# Altium PCB CU-ON-OFF-V2-08-11-18.PcbDoc (part 6 of 14)
Units mm, origin at the board's own origin, x right, y up, seen from the top; angles counter-clockwise.
Board outline 213 x 122.62 mm, 2 copper layers (Top Layer, Bottom Layer); 304 components, 53 nets, 991 pads, 702 vias.
Unrouted connection lines stored in the file: 1.
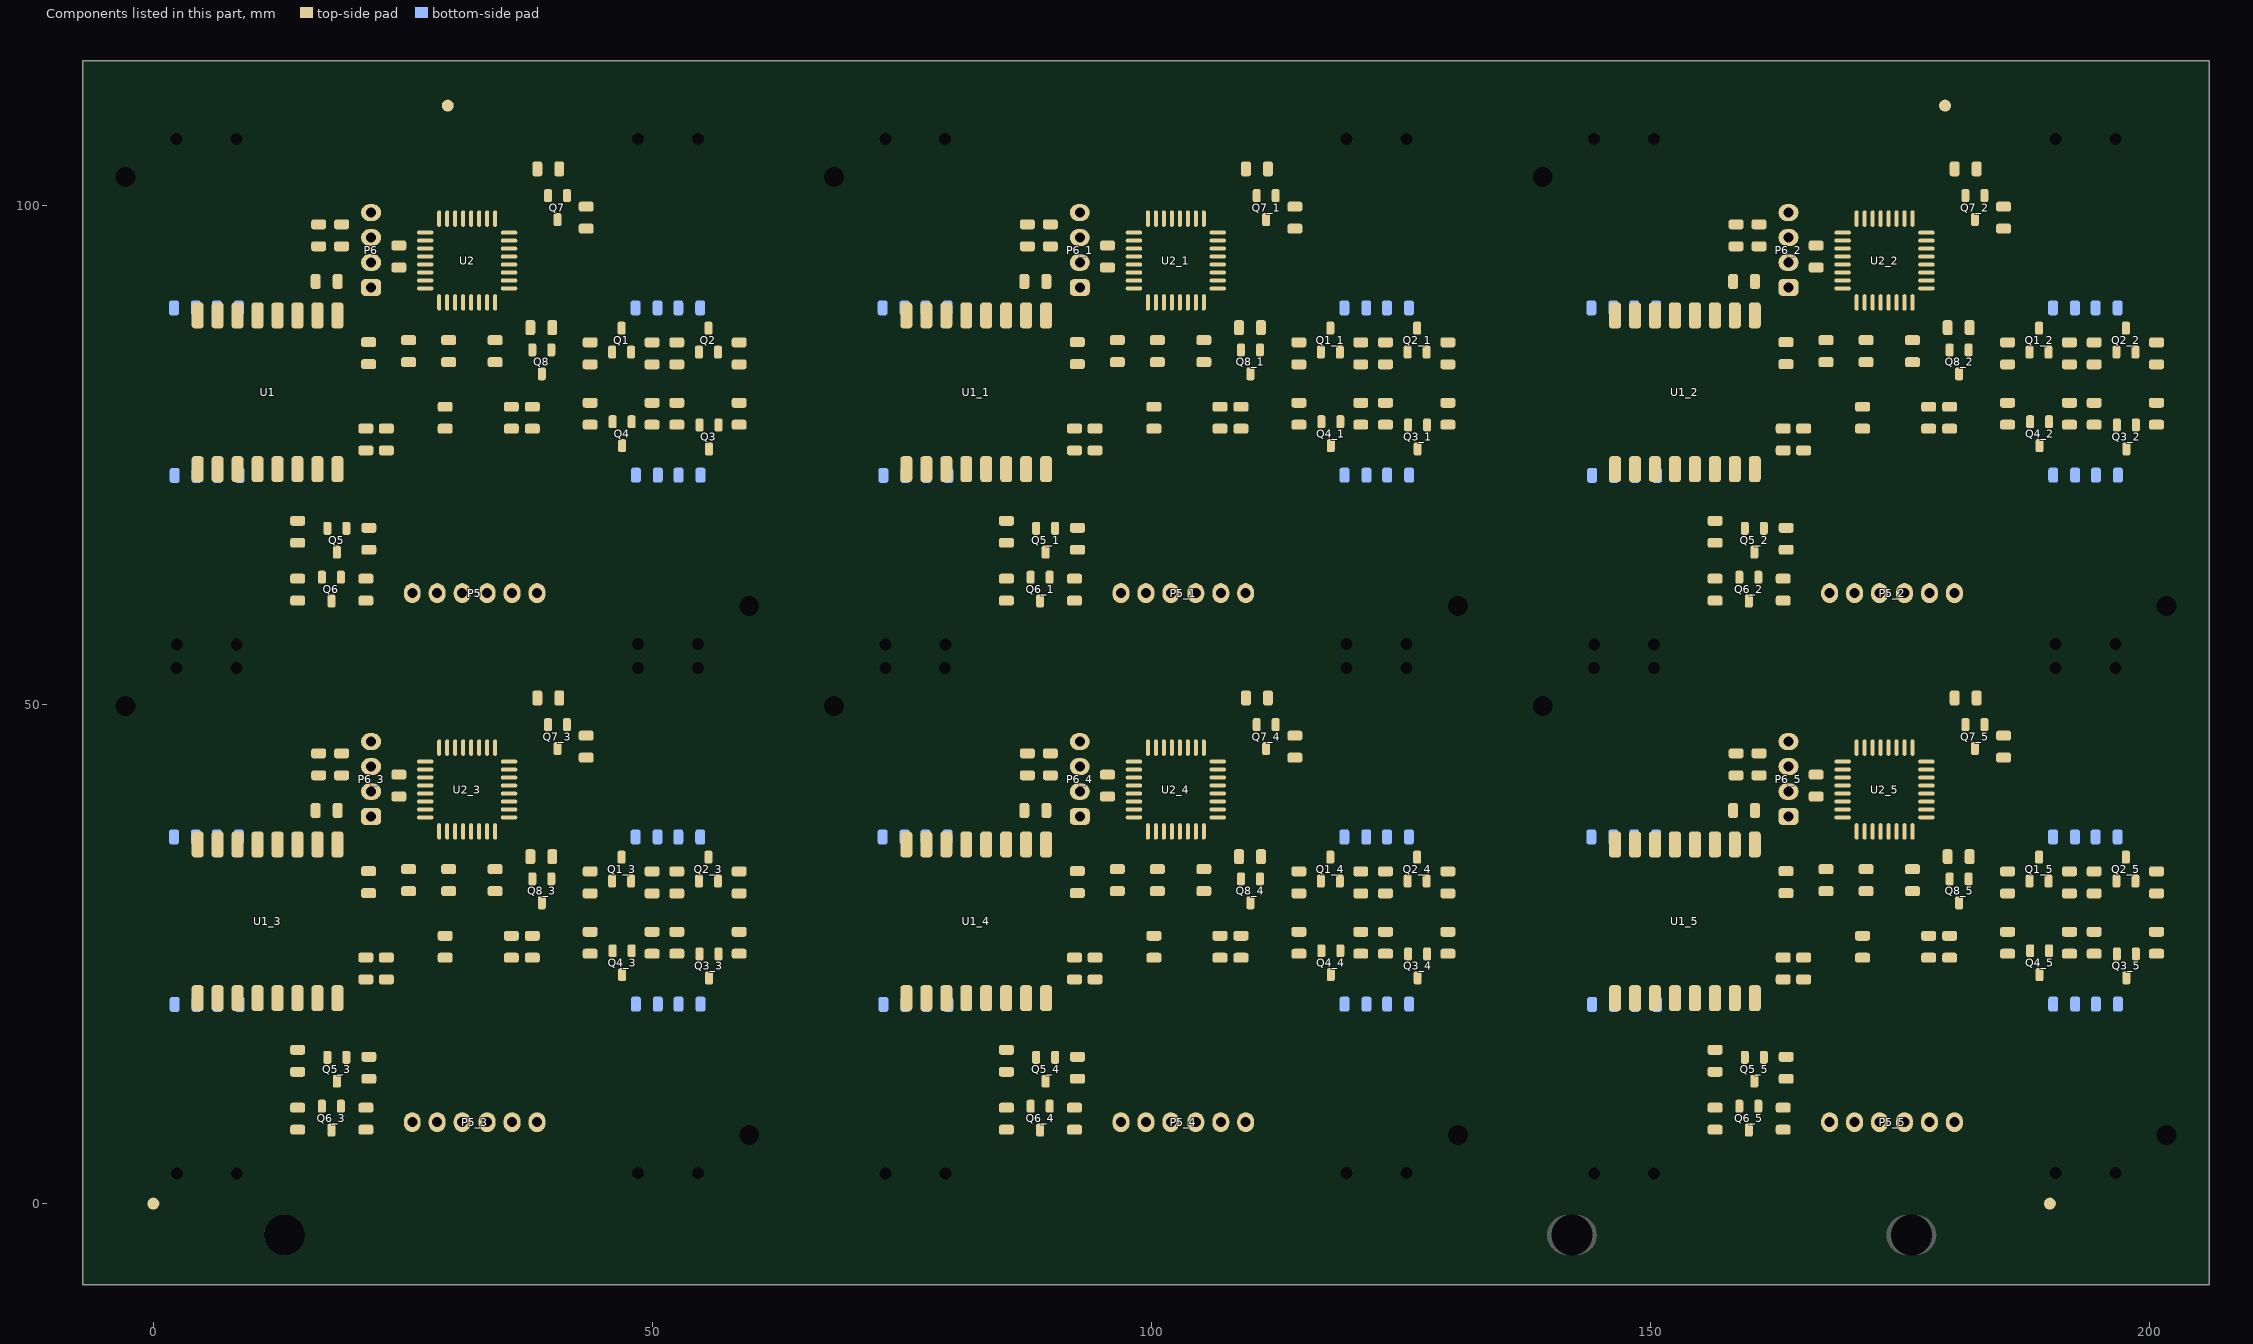
[diagram p6: the components of this part, seen from the top]

## Via types
v1: diameter 0.8, hole 0.5, Top Layer to Bottom Layer, 702 vias

## Nets (pads, with @x,y where several pads share a name; then routed paths per layer and width w, separated by ;. In a path a pad name is that pad's centre, name@x,y a point inside that pad or via, vN(x,y) a via of type N, cw(c..) or ccw(c..) an arc to the next point about the centre after c; other vN are vias at no path point) (continued)
copper on no net: (continued)
  Top Layer w0.4: 126.416,35.082 126.416,35.347 cw(c126.501,35.347) 126.441,35.407 cw(c126.501,35.347) 126.501,35.432 v1@127.491,35.432 ; 126.416,87.331 126.416,87.227 ccw(c126.587,87.227) 126.466,87.106 ccw(c126.587,87.227) 126.587,87.056 v1@127.491,87.056 ; 126.416,88.081 126.416,88.346 cw(c126.501,88.346) 126.441,88.406 cw(c126.501,88.346) 126.501,88.431 v1@127.491,88.431 ; 126.525,22.466 ccw(c126.183,22.124) 126.183,22.607 ccw(c126.183,23.09) 126.525,22.748 ; 126.525,75.465 ccw(c126.183,75.123) 126.183,75.606 ccw(c126.183,76.089) 126.525,75.747 ; 126.688,34.817 cw(c126.453,33.939) v1@127.297,34.276 ; 126.688,87.816 cw(c126.453,86.938) v1@127.297,87.275 ; 126.757,34.566 cw(c127.099,34.224) 127.099,34.707 cw(c127.099,35.19) 126.757,34.848 ; 126.757,87.565 cw(c127.099,87.223) 127.099,87.706 cw(c127.099,88.189) 126.757,87.847 ; 127.177,34.707 ccw(c127.177,35.231) v1@127.672,35.06 ; 127.177,87.706 ccw(c127.177,88.23) v1@127.672,88.059 ; 127.239,34.707 cw(c127.239,34.238) v1@127.665,34.433 ; 127.239,87.706 cw(c127.239,87.237) v1@127.665,87.432 ; v1@127.283,34.35 ccw(c126.8,34.35) 127.142,34.691 ccw(c127.483,35.033) v1@127.483,34.55 ; v1@127.283,87.349 ccw(c126.8,87.349) 127.142,87.69 ccw(c127.483,88.032) v1@127.483,87.549 ; v1@127.294,35.19 cw(c126.616,35.424) 126.616,34.707 ; v1@127.294,88.189 cw(c126.616,88.423) 126.616,87.706 ; v1@127.301,34.267 ccw(c126.616,33.954) 126.616,34.707 ; v1@127.301,87.266 ccw(c126.616,86.953) 126.616,87.706 ; v1@127.404,30.516 ccw(c127.011,30.909) v1@127.566,30.909 ; v1@127.404,31.009 cw(c127.011,30.617) v1@127.566,30.617 ; v1@127.404,31.291 ccw(c127.011,31.684) 127.566,31.684 ; v1@127.404,83.515 ccw(c127.011,83.908) v1@127.566,83.908 ; v1@127.404,84.008 cw(c127.011,83.616) v1@127.566,83.616 ; v1@127.404,84.29 ccw(c127.011,84.683) 127.566,84.683 ; 127.425,31.916 cw(c127.083,31.574) 127.566,31.574 cw(c128.049,31.574) 127.707,31.916 ; 127.425,84.915 cw(c127.083,84.573) 127.566,84.573 cw(c128.049,84.573) 127.707,84.915 ; v1(127.483,34.35) 127.126,34.707 126.616,34.707 ; v1(127.483,87.349) 127.126,87.706 126.616,87.706 ; v1(127.545,30.375) v1@127.566,30.396 ; v1(127.545,83.374) v1@127.566,83.395 ; 127.566,25.282 ccw(c127.657,25.373) 127.657,25.244 129.229,25.244 cw(c128.717,25.756) 128.717,25.032 cw(c128.717,24.308) 129.229,24.82 128.251,24.82 ccw(c128.251,23.922) 127.616,24.557 130.12,24.557 ccw(c130.12,24.728) 130.241,24.607 130.241,25.182 130.241,25.432 ccw(c130.181,25.372) 130.181,25.457 127.666,25.457 ; v1@127.566,30.718 cw(c127.977,30.718) v1@127.686,31.009 ; v1@127.566,30.807 ccw(c127.977,30.807) v1@127.686,30.516 ; 127.566,31.582 ccw(c127.977,31.582) v1@127.686,31.291 ; 127.566,78.281 ccw(c127.657,78.372) 127.657,78.243 129.229,78.243 cw(c128.717,78.755) 128.717,78.031 cw(c128.717,77.307) 129.229,77.819 128.251,77.819 ccw(c128.251,76.921) 127.616,77.556 130.12,77.556 ccw(c130.12,77.727) 130.241,77.606 130.241,78.181 130.241,78.431 ccw(c130.181,78.371) 130.181,78.456 127.666,78.456 ; v1@127.566,83.717 cw(c127.977,83.717) v1@127.686,84.008 ; v1@127.566,83.806 ccw(c127.977,83.806) v1@127.686,83.515 ; 127.566,84.581 ccw(c127.977,84.581) v1@127.686,84.29 ; v1@127.59,30.716 cw(c127.861,30.789) v1@127.677,30.999 ; v1@127.59,83.715 cw(c127.861,83.788) v1@127.677,83.998 ; 127.616,25.007 127.641,25.032 129.691,25.032 ; 127.616,78.006 127.641,78.031 129.691,78.031 ; 127.757,24.866 cw(c128.159,24.464) 128.159,25.032 ; 127.757,25.148 ccw(c128.038,25.43) 128.038,25.032 ; 127.757,77.865 cw(c128.159,77.463) 128.159,78.031 ; 127.757,78.147 ccw(c128.038,78.429) 128.038,78.031 ; 127.916,29.1 127.994,29.1 ccw(c127.994,30.404) 128.916,29.482 ccw(c128.312,30.086) 129.166,30.086 129.166,31.032 ; 127.916,82.099 127.994,82.099 ccw(c127.994,83.403) 128.916,82.481 ccw(c128.312,83.085) 129.166,83.085 129.166,84.031 ; 127.991,29.1 129.569,29.1 cw(c129.569,28.185) v1@130.216,28.832 ; 127.991,82.099 129.569,82.099 cw(c129.569,81.184) v1@130.216,81.831 ; 128.175,29.1 128.818,29.1 cw(c128.818,27.994) 129.6,28.776 ; 128.175,82.099 128.818,82.099 cw(c128.818,80.993) 129.6,81.775 ; v1(128.419,27.139) 128.513,27.232 129.691,27.232 ; v1(128.419,80.137) 128.513,80.231 129.691,80.231 ; v1@128.519,27.312 ccw(c128.738,27.69) 128.851,27.268 ; v1@128.519,80.311 ccw(c128.738,80.689) 128.851,80.267 ; v1@128.561,26.997 cw(c129.128,26.43) 129.128,27.232 ; v1@128.561,79.996 cw(c129.128,79.429) 129.128,80.231 ; v1@128.593,27.039 cw(c129.05,26.774) 128.914,27.285 ; v1@128.593,80.037 cw(c129.05,79.773) 128.914,80.284 ; 128.991,34.157 129.355,33.793 cw(c129.056,33.494) 129.479,33.494 ccw(c128.967,34.006) 129.691,34.006 ccw(c130.415,34.006) 129.903,33.494 ; v1@128.991,34.457 128.991,33.188 ccw(c129.247,33.188) 129.066,33.007 ccw(c129.126,33.067) 129.126,32.982 129.241,32.982 ; 128.991,87.156 129.355,86.792 cw(c129.056,86.493) 129.479,86.493 ccw(c128.967,87.005) 129.691,87.005 ccw(c130.415,87.005) 129.903,86.493 ; v1@128.991,87.456 128.991,86.187 ccw(c129.247,86.187) 129.066,86.006 ccw(c129.126,86.066) 129.126,85.981 129.241,85.981 ; 129.025,29.1 129.6,28.776 ; 129.025,82.099 129.6,81.775 ; v1@129.179,34.322 cw(c128.253,33.222) 129.691,33.222 ; v1@129.179,87.321 cw(c128.253,86.221) 129.691,86.221 ; 129.229,27.02 ccw(c128.717,26.508) 128.717,27.232 ccw(c128.717,27.956) 129.229,27.444 ; 129.229,80.019 ccw(c128.717,79.507) 128.717,80.231 ccw(c128.717,80.955) 129.229,80.443 ; v1@129.308,34.275 cw(c129.308,33.792) 129.649,34.134 cw(c129.991,34.475) v1@129.508,34.475 ; v1(129.308,34.475) 129.691,34.092 129.691,33.282 ; v1@129.308,87.274 cw(c129.308,86.791) 129.649,87.133 cw(c129.991,87.474) v1@129.508,87.474 ; v1(129.308,87.474) 129.691,87.091 129.691,86.281 ; v1@129.437,34.628 cw(c128.977,34.082) 129.691,34.082 ; v1@129.437,87.627 cw(c128.977,87.081) 129.691,87.081 ; 129.566,31.332 cw(c129.626,31.332) 129.584,31.375 129.989,31.375 ; 129.566,84.331 cw(c129.626,84.331) 129.584,84.374 129.989,84.374 ; 129.691,33.219 cw(c131.119,33.219) 130.21,34.321 ccw(c130.558,33.973) 130.066,33.973 130.066,33.482 ; 129.691,34.068 cw(c130.419,34.068) v1@129.956,34.629 ; 129.691,86.218 cw(c131.119,86.218) 130.21,87.32 ccw(c130.558,86.971) 130.066,86.971 130.066,86.481 ; 129.691,87.067 cw(c130.419,87.067) v1@129.956,87.628 ; 129.783,30.99 cw(c128.819,30.025) v1@130.183,30.025 ; 129.783,83.989 cw(c128.819,83.024) v1@130.183,83.024 ; 129.893,30.994 ccw(c130.18,31.521) 130.605,31.097 ; 129.893,83.993 ccw(c130.18,84.52) 130.605,84.096 ; 130.041,32.982 130.316,32.982 ccw(c130.135,33.163) 130.391,33.163 v1@130.391,34.482 ; 130.041,85.981 130.316,85.981 ccw(c130.135,86.162) 130.391,86.162 v1@130.391,87.481 ; 130.169,30.888 cw(c130.59,30.53) 130.59,31.082 ; 130.169,31.276 ccw(c130.59,31.634) 130.59,31.082 ; 130.169,83.887 cw(c130.59,83.529) 130.59,84.081 ; 130.169,84.275 ccw(c130.59,84.633) 130.59,84.081 ; v1@130.217,28.959 ccw(c129.875,28.617) 129.875,29.1 ccw(c129.875,29.583) v1@130.217,29.241 ; v1@130.217,81.958 ccw(c129.875,81.616) 129.875,82.099 ccw(c129.875,82.582) v1@130.217,82.24 ; v1@130.22,29.245 ccw(c129.888,29.596) 130.371,29.583 ccw(c130.854,29.57) v1@130.503,29.238 ; v1@130.22,82.244 ccw(c129.888,82.595) 130.371,82.582 ccw(c130.854,82.569) v1@130.503,82.237 ; 130.229,30.997 ccw(c130.816,30.823) v1@130.383,30.39 ; 130.229,83.996 ccw(c130.816,83.822) v1@130.383,83.389 ; v1@130.234,30.158 ccw(c129.969,30.396) 130.277,30.573 ; v1@130.234,83.157 ccw(c129.969,83.395) 130.277,83.572 ; v1@130.238,29.887 cw(c129.887,29.555) 130.37,29.542 cw(c130.853,29.529) v1@130.52,29.88 ; v1@130.238,82.886 cw(c129.887,82.554) 130.37,82.541 cw(c130.853,82.528) v1@130.52,82.879 ; v1@130.575,28.901 130.5,28.801 130.3,28.776 129.6,28.776 ; v1@130.575,81.9 130.5,81.8 130.3,81.775 129.6,81.775 ; 148.041,36.982 cw(c148.463,36.982) 148.165,37.281 148.441,37.557 ; 148.041,89.981 cw(c148.463,89.981) 148.165,90.28 148.441,90.556 ; 148.179,36.985 ccw(c147.684,37.557) 148.441,37.557 ; 148.179,89.984 ccw(c147.684,90.556) 148.441,90.556 ; 148.691,35.982 148.441,36.232 148.441,37.557 ; 148.691,88.981 148.441,89.231 148.441,90.556 ; 148.703,36.985 cw(c149.198,37.557) 148.441,37.557 ; 148.703,89.984 cw(c149.198,90.556) 148.441,90.556 ; 148.841,36.882 148.841,37.356 cw(c150.292,37.356) 149.266,38.382 ; 148.841,89.881 148.841,90.355 cw(c150.292,90.355) 149.266,91.381 ; 150.041,19.982 150.041,18.881 ccw(c151.065,18.881) 150.341,18.157 ccw(c150.884,18.7) 150.884,17.932 151.921,17.932 ; 150.041,36.957 cw(c151.127,36.957) 150.359,37.725 150.441,37.807 ; 150.041,72.981 150.041,71.88 ccw(c151.065,71.88) 150.341,71.156 ccw(c150.884,71.699) 150.884,70.931 151.921,70.931 ; 150.041,89.956 cw(c151.127,89.956) 150.359,90.724 150.441,90.806 ; 150.158,19.599 cw(c149.475,18.916) 150.441,18.916 cw(c151.407,18.916) 150.724,19.599 ; 150.158,36.965 ccw(c149.475,37.648) 150.441,37.648 ccw(c151.407,37.648) 150.724,36.965 ; 150.158,72.598 cw(c149.475,71.915) 150.441,71.915 cw(c151.407,71.915) 150.724,72.598 ; 150.158,89.964 ccw(c149.475,90.647) 150.441,90.647 ccw(c151.407,90.647) 150.724,89.964 ; v1@150.283,48.85 ccw(c150.283,49.273) v1@150.582,48.974 ; v1@150.283,101.849 ccw(c150.283,102.272) v1@150.582,101.973 ; v1@150.308,13.825 ccw(c150.308,14.248) v1@150.607,13.949 ; v1@150.308,66.824 ccw(c150.308,67.246) v1@150.607,66.948 ; v1@150.34,13.683 153.74,17.082 171.266,17.082 173.041,18.857 173.041,37.282 ; v1@150.34,66.682 153.74,70.081 171.266,70.081 173.041,71.856 173.041,90.281 ; v1@150.346,48.838 ccw(c150.049,49.352) v1@150.635,49.257 ; v1@150.346,101.837 ccw(c150.049,102.351) v1@150.635,102.256 ; v1@150.371,13.813 ccw(c150.074,14.327) v1@150.66,14.232 ; v1@150.371,66.812 ccw(c150.074,67.326) v1@150.66,67.231 ; v1@150.481,48.756 cw(c150.969,48.474) v1@150.869,49.028 ; v1@150.481,101.755 cw(c150.969,101.473) v1@150.869,102.027 ; v1@150.506,13.731 cw(c150.994,13.449) v1@150.894,14.003 ; v1@150.506,66.73 cw(c150.994,66.448) v1@150.894,67.002 ; v1@150.508,13.625 cw(c151.051,13.625) v1@150.667,14.009 ; v1@150.508,66.624 cw(c151.051,66.624) v1@150.667,67.008 ; v1@150.633,49.225 cw(c150.15,49.225) 150.491,48.884 cw(c150.833,48.542) v1@150.833,49.025 ; v1@150.633,102.224 cw(c150.15,102.224) 150.491,101.883 cw(c150.833,101.541) v1@150.833,102.024 ; v1@150.642,49.034 ccw(c151.026,48.65) 150.483,48.65 v1(150.833,49.225) 153.04,51.432 173.491,51.432 174.641,50.282 174.641,45.682 ; v1@150.642,102.033 ccw(c151.026,101.649) 150.483,101.649 v1(150.833,102.224) 153.04,104.431 173.491,104.431 174.641,103.281 174.641,98.681 ; v1@150.658,14.2 cw(c150.175,14.2) 150.516,13.859 cw(c150.858,13.517) v1@150.858,14 ; v1@150.658,67.199 cw(c150.175,67.199) 150.516,66.858 cw(c150.858,66.516) v1@150.858,66.999 ; 150.691,20.582 150.441,20.332 150.441,18.582 151.091,17.932 159.891,17.932 ; 150.691,35.982 150.441,36.232 150.441,37.807 ; 150.691,73.581 150.441,73.331 150.441,71.581 151.091,70.931 159.891,70.931 ; 150.691,88.981 150.441,89.231 150.441,90.806 ; v1@150.833,49.425 ccw(c150.833,49.908) 151.174,49.566 ccw(c151.516,49.225) v1@151.033,49.225 ; v1@150.833,102.424 ccw(c150.833,102.907) 151.174,102.565 ccw(c151.516,102.224) v1@151.033,102.224 ; 150.841,20.157 150.841,18.73 ccw(c151.438,18.73) 151.016,18.307 ccw(c151.921,19.212) 151.921,17.932 ; 150.841,36.557 150.841,37.9 cw(c151.22,37.9) 150.952,38.168 cw(c151.891,37.229) 151.891,38.557 ; 150.841,73.156 150.841,71.728 ccw(c151.438,71.728) 151.016,71.306 ccw(c151.921,72.211) 151.921,70.931 ; 150.841,89.556 150.841,90.899 cw(c151.22,90.899) 150.952,91.167 cw(c151.891,90.228) 151.891,91.556 ; v1@150.858,14.4 ccw(c150.858,14.883) 151.199,14.541 ccw(c151.541,14.2) v1@151.058,14.2 ; v1@150.858,67.399 ccw(c150.858,67.882) 151.199,67.54 ccw(c151.541,67.199) v1@151.058,67.199 ; v1@151.766,33.632 ccw(c151.102,34.296) 152.041,34.296 152.041,35.132 ; v1@151.766,86.631 ccw(c151.102,87.295) 152.041,87.295 152.041,88.131 ; v1@151.899,33.648 ccw(c150.592,34.956) 152.441,34.956 ; v1@151.899,86.647 ccw(c150.592,87.955) 152.441,87.955 ; 152.041,21.357 152.041,22.716 cw(c153.407,22.716) 152.441,23.682 ; 152.041,74.356 152.041,75.715 cw(c153.407,75.715) 152.441,76.681 ; 152.158,21.565 ccw(c151.475,22.248) 152.441,22.248 ccw(c153.407,22.248) 152.724,21.565 ; 152.158,34.999 cw(c151.475,34.316) 152.441,34.316 cw(c153.407,34.316) 152.724,34.999 ; 152.158,74.564 ccw(c151.475,75.247) 152.441,75.247 ccw(c153.407,75.247) 152.724,74.564 ; 152.158,87.998 cw(c151.475,87.315) 152.441,87.315 cw(c153.407,87.315) 152.724,87.998 ; v1@152.182,33.366 ccw(c151.558,33.99) 152.441,33.99 ; v1@152.182,86.365 ccw(c151.558,86.989) 152.441,86.989 ; v1@152.222,33.443 cw(c152.694,33.199) v1@152.89,33.693 ; v1@152.222,86.442 cw(c152.694,86.198) v1@152.89,86.692 ; 152.316,17.932 151.921,17.932 ; 152.316,70.931 151.921,70.931 ; v1@152.416,33.482 152.441,33.457 152.441,35.982 ; v1@152.416,86.481 152.441,86.456 152.441,88.981 ; 152.441,33.929 ccw(c153.238,33.929) v1@152.674,33.366 ; 152.441,34.895 ccw(c154.204,34.895) v1@152.957,33.648 ; 152.441,86.928 ccw(c153.238,86.928) v1@152.674,86.365 ; 152.441,87.894 ccw(c154.204,87.894) v1@152.957,86.647 ; 152.641,22.732 152.641,23.53 cw(c153.068,23.53) 152.766,23.832 ; 152.641,75.731 152.641,76.529 cw(c153.068,76.529) 152.766,76.831 ; 152.691,20.582 152.441,20.832 152.441,23.682 ; 152.691,73.581 152.441,73.831 152.441,76.681 ; 152.841,21.482 152.841,23.233 cw(c154.889,23.233) 153.441,24.682 ; 152.841,35.307 152.841,34.236 ccw(c153.694,34.236) v1@153.091,33.632 ; 152.841,74.481 152.841,76.232 cw(c154.889,76.232) 153.441,77.681 ; 152.841,88.306 152.841,87.235 ccw(c153.694,87.235) v1@153.091,86.631 ; 154.041,21.307 ccw(c153.981,21.367) 154.066,21.367 154.066,22.582 cw(c155.454,22.582) 154.472,23.564 154.916,24.007 ; 154.041,36.882 154.041,36.991 cw(c155.407,36.991) 154.441,37.957 ; 154.041,74.306 ccw(c153.981,74.366) 154.066,74.366 154.066,75.581 cw(c155.454,75.581) 154.472,76.563 154.916,77.006 ; 154.041,89.881 154.041,89.99 cw(c155.407,89.99) 154.441,90.956 ; 154.158,21.565 ccw(c153.475,22.248) 154.441,22.248 ccw(c155.407,22.248) 154.724,21.565 ; 154.158,36.965 ccw(c153.475,37.648) 154.441,37.648 ccw(c155.407,37.648) 154.724,36.965 ; 154.158,74.564 ccw(c153.475,75.247) 154.441,75.247 ccw(c155.407,75.247) 154.724,74.564 ; 154.158,89.964 ccw(c153.475,90.647) 154.441,90.647 ccw(c155.407,90.647) 154.724,89.964 ; 154.641,22.732 154.641,23.449 cw(c155.324,23.449) 154.841,23.932 ; 154.641,75.731 154.641,76.448 cw(c155.324,76.448) 154.841,76.931 ; 154.691,20.582 154.441,20.832 154.441,23.532 158.674,27.765 165.249,27.765 166.016,28.532 166.016,32.932 ; 154.691,35.982 154.441,36.232 154.441,37.957 ; 154.691,73.581 154.441,73.831 154.441,76.531 158.674,80.764 165.249,80.764 166.016,81.531 166.016,85.931 ; 154.691,88.981 154.441,89.231 154.441,90.956 ; 154.841,21.332 154.841,23.225 cw(c156.548,23.225) 155.341,24.432 ; 154.841,36.982 154.841,37.897 cw(c155.951,37.897) 155.166,38.682 ; 154.841,74.331 154.841,76.224 cw(c156.548,76.224) 155.341,77.431 ; 154.841,89.981 154.841,90.896 cw(c155.951,90.896) 155.166,91.681 ; 154.866,8.857 154.866,8.807 ccw(c155.966,8.807) 155.966,7.707 ; 154.866,13.657 154.866,13.837 cw(c156.136,13.837) 156.136,15.107 156.616,15.107 ; 154.866,61.856 154.866,61.806 ccw(c155.966,61.806) 155.966,60.706 ; 154.866,66.656 154.866,66.836 cw(c156.136,66.836) 156.136,68.106 156.616,68.106 ; 154.916,14.782 cw(c155.821,13.877) 156.141,15.117 ; 154.916,67.781 cw(c155.821,66.876) 156.141,68.116 ; 155.411,15.277 cw(c156.024,14.664) 156.241,15.504 ; 155.411,68.276 cw(c156.024,67.663) 156.241,68.503 ; v1@155.791,10.657 155.791,9.457 ccw(c155.941,9.457) 155.941,9.307 ; v1@155.791,12.132 cw(c155.791,12.157) 155.766,12.157 155.766,13.382 cw(c155.891,13.382) 155.891,13.507 ; 155.791,12.657 156.941,12.657 ccw(c156.941,12.732) 157.016,12.732 ; v1@155.791,63.656 155.791,62.456 ccw(c155.941,62.456) 155.941,62.306 ; v1@155.791,65.131 cw(c155.791,65.156) 155.766,65.156 155.766,66.381 cw(c155.891,66.381) 155.891,66.506 ; 155.791,65.656 156.941,65.656 ccw(c156.941,65.731) 157.016,65.731 ; v1@155.942,10.522 cw(c155.6,10.181) 156.083,10.181 cw(c156.566,10.181) v1@156.224,10.522 ; v1@155.942,63.521 cw(c155.6,63.18) 156.083,63.18 cw(c156.566,63.18) v1@156.224,63.521 ; v1@155.955,6.508 ccw(c155.42,7.407) 156.466,7.407 ; v1@155.955,12.308 ccw(c155.42,13.207) 156.466,13.207 ; v1@155.955,59.507 ccw(c155.42,60.406) 156.466,60.406 ; v1@155.955,65.307 ccw(c155.42,66.206) 156.466,66.206 ; v1@155.983,10.49 cw(c155.746,10.081) 156.203,10.203 ; v1@155.983,63.489 cw(c155.746,63.08) 156.203,63.202 ; 155.993,15.206 ccw(c155.541,14.798) 155.541,15.407 ; 155.993,15.608 cw(c155.541,16.016) 155.541,15.407 ; 155.993,68.205 ccw(c155.541,67.797) 155.541,68.406 ; 155.993,68.607 cw(c155.541,69.015) 155.541,68.406 ; 156.004,7.195 ccw(c155.492,6.683) 155.492,7.407 ccw(c155.492,8.131) 156.004,7.619 ; 156.004,60.194 ccw(c155.492,59.682) 155.492,60.406 ccw(c155.492,61.13) 156.004,60.618 ; v1@156.083,10.652 ccw(c157.261,10.652) 156.428,9.819 ; v1(156.083,10.664) 156.083,9.99 156.466,9.607 ; v1@156.083,63.651 ccw(c157.261,63.651) 156.428,62.818 ; v1(156.083,63.662) 156.083,62.989 156.466,62.606 ; 156.158,21.565 ccw(c155.475,22.248) 156.441,22.248 ccw(c157.407,22.248) 156.724,21.565 ; 156.158,74.564 ccw(c155.475,75.247) 156.441,75.247 ccw(c157.407,75.247) 156.724,74.564 ; v1@156.16,6.165 ccw(c155.839,6.703) 156.466,6.703 ; v1@156.16,11.965 ccw(c155.839,12.503) 156.466,12.503 ; v1@156.16,59.164 ccw(c155.839,59.702) 156.466,59.702 ; v1@156.16,64.964 ccw(c155.839,65.502) 156.466,65.502 ; 156.254,12.995 cw(c155.742,12.483) 156.466,12.483 cw(c157.19,12.483) 156.678,12.995 ; 156.254,65.994 cw(c155.742,65.482) 156.466,65.482 cw(c157.19,65.482) 156.678,65.994 ; v1@156.256,10.564 ccw(c156.683,10.317) 156.207,10.19 ccw(c156.24,10.19) 156.24,10.157 156.991,10.157 ; v1@156.256,63.562 ccw(c156.683,63.316) 156.207,63.189 ccw(c156.24,63.189) 156.24,63.156 156.991,63.156 ; 156.258,7.191 cw(c155.791,6.703) 156.466,6.703 ; 156.258,60.19 cw(c155.791,59.702) 156.466,59.702 ; 156.266,15.707 155.841,15.707 ccw(c155.841,14.732) 154.866,14.732 ; 156.266,68.706 155.841,68.706 ccw(c155.841,67.731) 154.866,67.731 ; 156.347,12.926 ccw(c157.198,13.154) v1@156.9,12.325 ; 156.347,65.925 ccw(c157.198,66.153) v1@156.9,65.324 ; 156.35,7.137 ccw(c157.227,7.373) v1@156.904,6.523 ; 156.35,60.136 ccw(c157.227,60.372) v1@156.904,59.522 ; 156.466,6.652 ccw(c157.047,6.652) v1@156.72,6.171 ; v1@156.466,12.157 156.466,13.207 ; 156.466,12.452 ccw(c157.047,12.452) v1@156.72,11.971 ; 156.466,15.407 155.541,15.407 ; 156.466,59.651 ccw(c157.047,59.651) v1@156.72,59.17 ; v1@156.466,65.156 156.466,66.206 ; 156.466,65.451 ccw(c157.047,65.451) v1@156.72,64.97 ; 156.466,68.406 155.541,68.406 ; v1@156.566,6.057 156.136,6.057 cw(c156.136,7.327) 154.866,7.327 154.866,8.007 ; v1@156.566,59.056 156.136,59.056 cw(c156.136,60.326) 154.866,60.326 154.866,61.006 ; v1@156.633,6.337 ccw(c156.15,6.337) 156.491,6.678 ccw(c156.833,7.019) v1@156.833,6.537 ; v1@156.633,59.336 ccw(c156.15,59.336) 156.491,59.677 ccw(c156.833,60.018) v1@156.833,59.536 ; 156.641,22.457 156.641,23.38 cw(c157.068,23.38) 156.766,23.682 ccw(c158.516,21.932) 156.041,21.932 156.041,21.307 156.041,22.391 cw(c157.407,22.391) 156.441,23.357 ; 156.641,75.456 156.641,76.379 cw(c157.068,76.379) 156.766,76.681 ccw(c158.516,74.931) 156.041,74.931 156.041,74.306 156.041,75.39 cw(c157.407,75.39) 156.441,76.356 ; 156.674,7.191 ccw(c157.141,6.703) 156.466,6.703 ; 156.674,60.19 ccw(c157.141,59.702) 156.466,59.702 ; 156.691,20.582 156.441,20.832 156.441,23.357 ; 156.691,73.581 156.441,73.831 156.441,76.356 ; v1(156.833,6.337) 156.466,6.703 ; v1(156.833,59.336) 156.466,59.702 ; 156.841,21.332 156.841,23.05 cw(c158.548,23.05) 157.341,24.257 ; 156.841,74.331 156.841,76.049 cw(c158.548,76.049) 157.341,77.256 ; v1@156.945,6.502 cw(c157.56,7.407) 156.466,7.407 ; v1@156.945,12.302 cw(c157.56,13.207) 156.466,13.207 ; v1@156.945,59.501 cw(c157.56,60.406) 156.466,60.406 ; v1@156.945,65.301 cw(c157.56,66.206) 156.466,66.206 ; 156.966,13.482 cw(c156.966,13.332) 157.116,13.332 157.116,12.207 cw(c157.066,12.207) v1@157.066,12.157 ; 156.966,66.481 cw(c156.966,66.331) 157.116,66.331 